# KiCad board shek-rounded.kicad_pcb (continued)
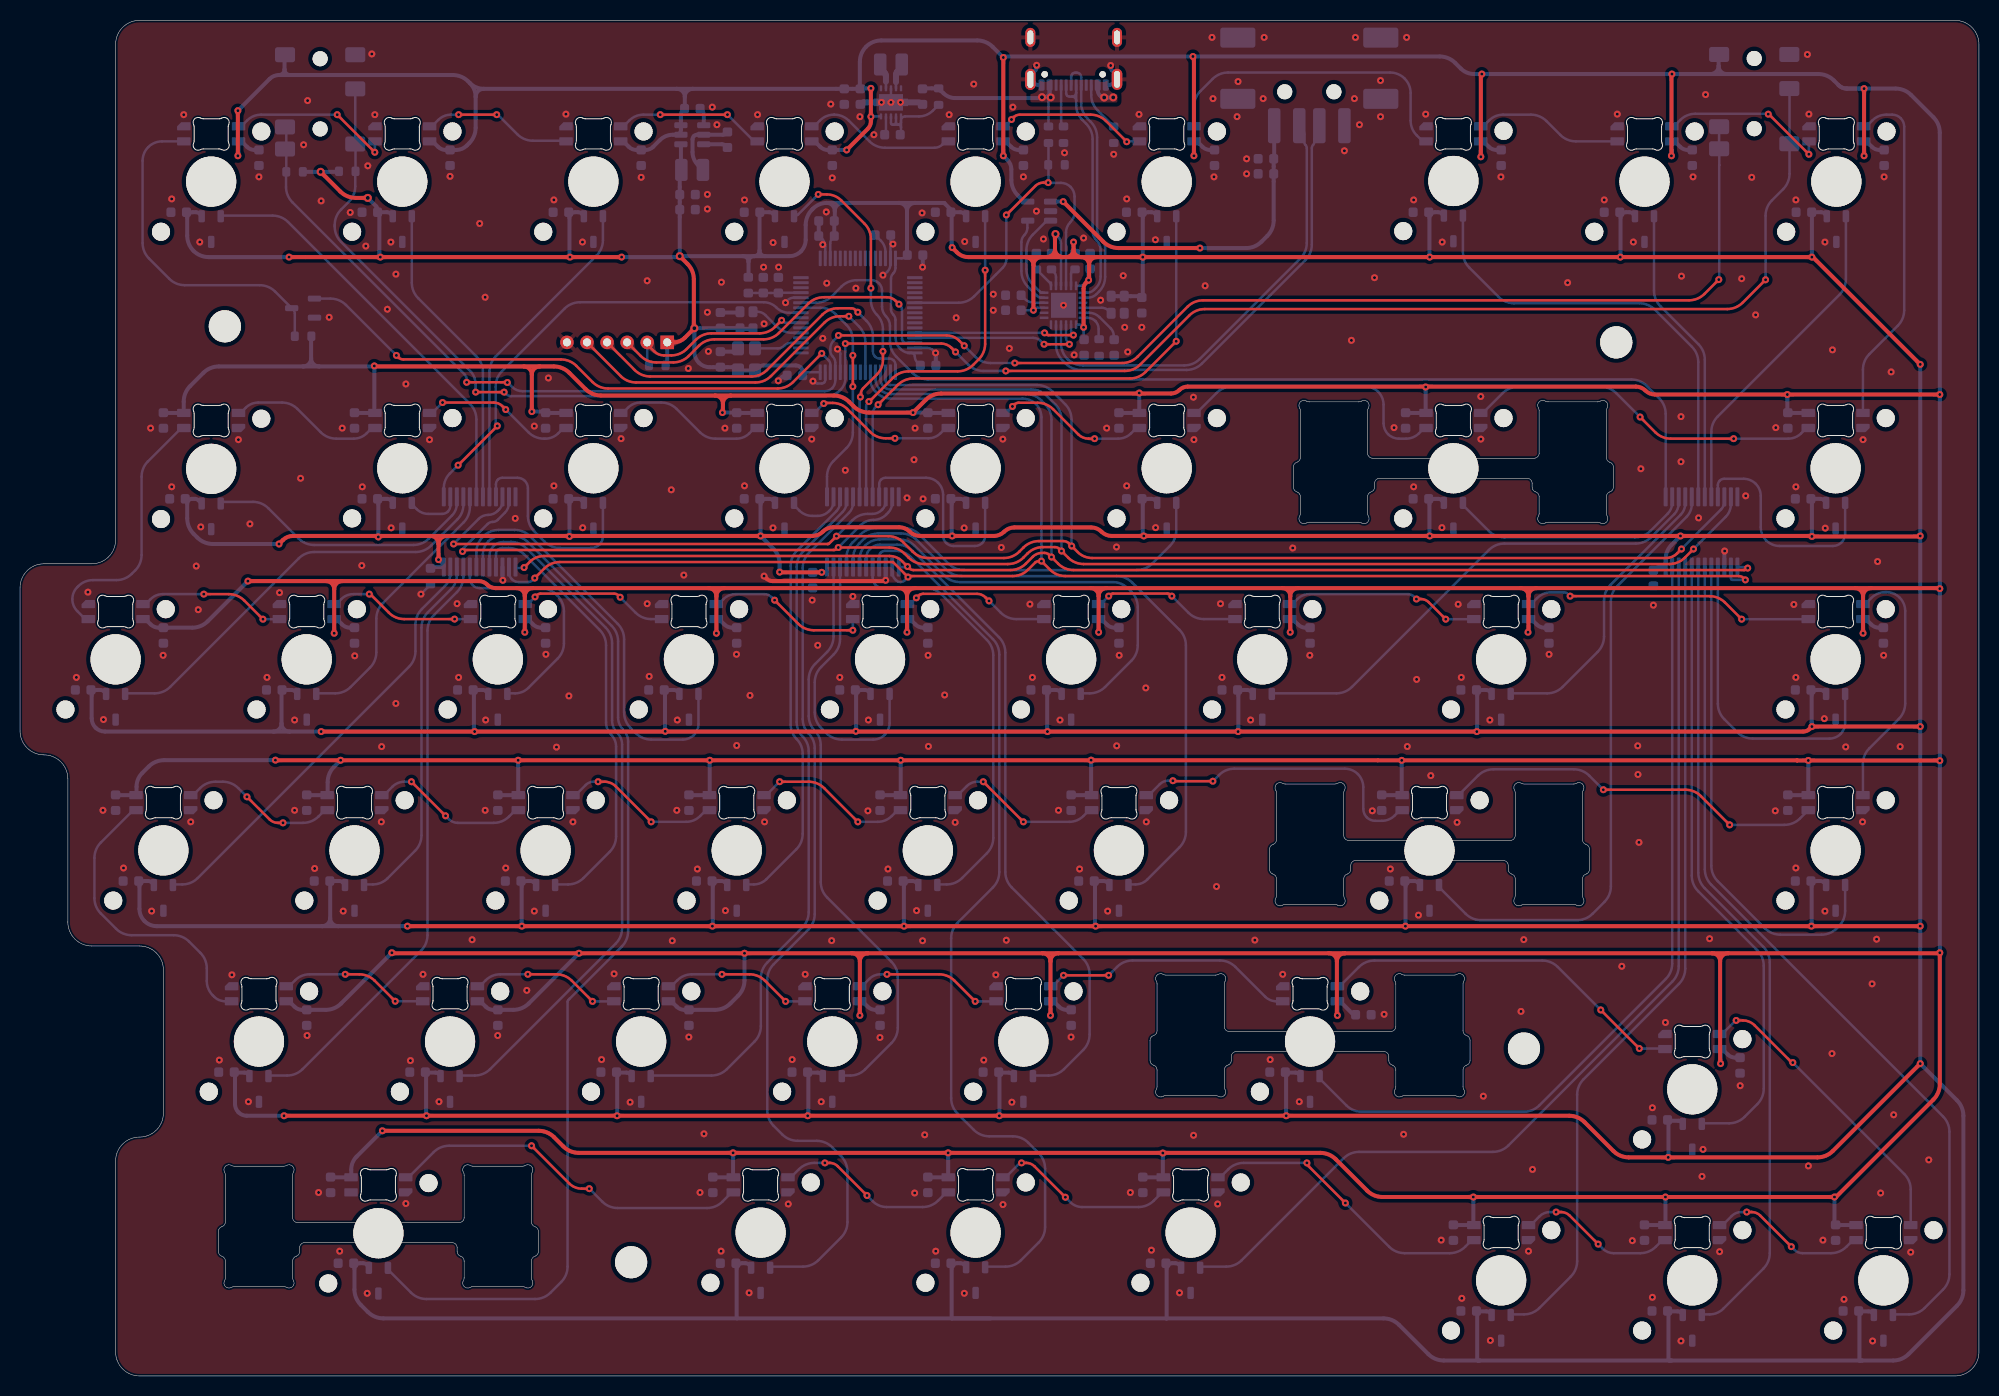
[diagram p0: board, top side]
## Placement (name value [footprint] x y rotation side) (continued)
U23  AH49ENTR-G1  [SOT-23-3_ChocV2-1U]  114.3 90.49 0 top
U24  AH49ENTR-G1  [SOT-23-3_ChocV2-1U]  142.88 90.49 0 top
U25  AH49ENTR-G1  [SOT-23-3_ChocV2-1U]  180.98 90.49 0 top
U26  AH49ENTR-G1  [SOT-23-3_ChocV2-1U]  9.52 71.44 0 top
U27  AH49ENTR-G1  [SOT-23-3_ChocV2-1U]  28.58 71.44 0 top
U28  AH49ENTR-G1  [SOT-23-3_ChocV2-1U]  47.62 71.44 0 top
U29  AH49ENTR-G1  [SOT-23-3_ChocV2-1U]  66.67 71.44 0 top
U30  AH49ENTR-G1  [SOT-23-3_ChocV2-1U]  85.72 71.44 0 top
U31  AH49ENTR-G1  [SOT-23-3_ChocV2-1U]  104.77 71.44 0 top
U32  AH49ENTR-G1  [SOT-23-3_ChocV2-1U]  123.83 71.44 0 top
U33  AH49ENTR-G1  [SOT-23-3_ChocV2-1.5U]  147.64 71.44 0 top
U34  AH49ENTR-G1  [SOT-23-3_ChocV2-1U]  180.98 71.44 0 top
U35  AH49ENTR-G1  [SOT-23-3_ChocV2-1U]  14.29 52.39 0 top
U36  AH49ENTR-G1  [SOT-23-3_ChocV2-1U]  33.34 52.39 0 top
U37  AH49ENTR-G1  [SOT-23-3_ChocV2-1U]  52.39 52.39 0 top
U38  AH49ENTR-G1  [SOT-23-3_ChocV2-1U]  71.44 52.39 0 top
U39  AH49ENTR-G1  [SOT-23-3_ChocV2-1U]  90.49 52.39 0 top
U40  AH49ENTR-G1  [SOT-23-3_ChocV2-1U]  109.54 52.39 0 top
U41  AH49ENTR-G1  [SOT-23-3_ChocV2-1U]  140.49 52.39 0 top
U42  AH49ENTR-G1  [SOT-23-3_ChocV2-1U]  180.98 52.39 0 top
U43  AH49ENTR-G1  [SOT-23-3_ChocV2-1U]  23.81 33.34 0 top
U44  AH49ENTR-G1  [SOT-23-3_ChocV2-1U]  42.86 33.34 0 top
U45  AH49ENTR-G1  [SOT-23-3_ChocV2-1U]  61.91 33.34 0 top
U46  AH49ENTR-G1  [SOT-23-3_ChocV2-1U]  80.96 33.34 0 top
U47  AH49ENTR-G1  [SOT-23-3_ChocV2-1U]  100.01 33.34 0 top
U48  AH49ENTR-G1  [SOT-23-3_ChocV2-1U]  128.59 33.34 0 top
U49  AH49ENTR-G1  [SOT-23-3_ChocV2-1U]  166.69 28.58 0 top
U50  AH49ENTR-G1  [SOT-23-3_ChocV2-1U]  35.72 14.23 0 top
U51  AH49ENTR-G1  [SOT-23-3_ChocV2-1.25U]  73.82 14.29 0 top
U52  AH49ENTR-G1  [SOT-23-3_ChocV2-1U]  95.25 14.29 0 top
U53  AH49ENTR-G1  [SOT-23-3_ChocV2-1.25U]  116.68 14.29 0 top
U54  AH49ENTR-G1  [SOT-23-3_ChocV2-1U]  147.64 9.53 0 top
U55  AH49ENTR-G1  [SOT-23-3_ChocV2-1U]  166.69 9.53 0 top
U56  AH49ENTR-G1  [SOT-23-3_ChocV2-1U]  185.74 9.53 0 top
Y1  SG-210STF  [Oscillator_SMD_SeikoEpson_SG210-4Pin_2.5x2.0mm]  109.41 106.79 270 bottom
Y2  SG-210STF  [Oscillator_SMD_SeikoEpson_SG210-4Pin_2.5x2.0mm]  72.41 105.24 90 bottom
Y3  ASCO  [Crystal_SMD_Abracon_ABM8G-4Pin_3.2x2.5mm_silkmod]  72.41 101.34 90 bottom

## Library data of the parts
C1-C4 C8 C12 C13 C17-C20 C22 C24 C26-C125 = -: Description: Unpolarized capacitor, small symbol; Digikey: 311-1088-1-ND; ki_fp_filters: C_*
C5-C7 C23 = -: Description: Unpolarized capacitor, small symbol; Digikey: 311-1445-1-ND; ki_fp_filters: C_*
C9-C11 C16 = -: Description: Unpolarized capacitor, small symbol; Digikey: 311-1817-1-ND; ki_fp_filters: C_*
C14 C15 = -: Description: Unpolarized capacitor, small symbol; Digikey: 490-10476-1-ND; ki_fp_filters: C_*
C21 C25 = -: Description: Unpolarized capacitor, small symbol; Digikey: 311-1785-1-ND; ki_fp_filters: C_*
FB1 = -: Description: Ferrite bead, small symbol; Digikey: 240-2558-1-ND; ki_fp_filters: Inductor_* L_* *Ferrite*
H1-H4 = -: Description: Mounting Hole without connection; ki_fp_filters: MountingHole*
J1 = -: PARTREV: 4; STANDARD: Manufacturer Recommendations; MAXIMUM_PACKAGE_HEIGHT: 3.26 mm; MANUFACTURER: Amphenol; Digikey: 664-12402012E212ACT-ND
J3 J5 = -: PARTREV: A; STANDARD: Manufacturer Recommendations; MAXIMUM_PACKAGE_HEIGHT: 4.5mm; MANUFACTURER: TENSILITY; Digikey: 839-54-00177CT-ND
J4 = -: Description: Generic connector, single row, 01x06, script generated; ki_fp_filters: Connector*:*_1x??_*
L1 = -: Description: Inductor; Digikey: 490-13055-1-ND; ki_fp_filters: Choke_* *Coil* Inductor_* L_*
L2 = -: Description: Inductor; Digikey: 490-13053-1-ND; ki_fp_filters: Choke_* *Coil* Inductor_* L_*
LED1-LED48 = -: Description: Reverse mount adressable LED (WS2812 protocol)
Q1 = -: Description: N-MOSFET transistor; Digikey: NTR4003NT1GOSCT-ND
R1 R2 R6-R8 = -: Description: Resistor; Digikey: RG16P100KBCT-ND; ki_fp_filters: R_*
R3 R4 = -: Description: Resistor; Digikey: RG16P5.1KBCT-ND; ki_fp_filters: R_*
R5 R10 R13 = -: Description: Resistor; Digikey: RG16P12.0KBCT-ND; ki_fp_filters: R_*
R9 = -: Description: Resistor; Digikey: RG16P100BCT-ND; ki_fp_filters: R_*
R11 R12 = -: Description: Resistor; Digikey: RG16P4.7KBCT-ND; ki_fp_filters: R_*
S1-S4 = -: Description: Kailh Choc-style stabilizer
U1 = -: Digikey: USB2422T/MJCT-ND; ki_fp_filters: SQFN24_4X4MC_MCH SQFN24_4X4MC_MCH-M SQFN24_4X4MC_MCH-L
U2 = -: Datasheet: https://www.diodes.com/assets/Datasheets/AP22804_14.pdf; Description: Current limited 3A power switch, single channel, SOT-23-5; Digikey: AP22814AW5-7DICT-ND; ki_fp_filters: SOT?23*
U3 = -: Datasheet: http://www.ti.com/lit/ds/symlink/tps63000.pdf; Description: Buck-Boost Converter, 1.8-5.5V Input Voltage, 1.7A Switch Current, 5V Output Voltage, VSON-10; Digikey: 296-19644-1-ND; ki_fp_filters: Texas*DRC0010J*
U4 = -: Datasheet: https://www.diodes.com/assets/Datasheets/AP63200-AP63201-AP63203-AP63205.pdf; Description: 2A, 1.1MHz Buck DC/DC Converter, fixed 3.3V output voltage, TSOT-23-6; Digikey: AP63203WU-7DICT-ND; ki_fp_filters: TSOT?23*
U5 = -: Datasheet: https://www.st.com/resource/en/datasheet/stm32f446re.pdf; Description: STMicroelectronics Arm Cortex-M4 MCU, 512KB flash, 128KB RAM, 180 MHz, 1.8-3.6V, 50 GPIO, LQFP64; Digikey: 497-STM32F446RET6TRCT-ND; ki_fp_filters: LQFP*10x10mm*P0.5mm*
U6-U8 = -: Datasheet: http://www.ti.com/lit/ds/symlink/cd74hc4067.pdf; Description: High-Speed CMOS Logic 16-Channel Analog Multiplexer/Demultiplexer, SSOP-24; Digikey: 1727-2807-1-ND; ki_fp_filters: SSOP*5.3x8.2mm*P0.65mm*
U9-U56 = -: Digikey: AH49ENTR-G1DICT-ND; ki_fp_filters: SOT-23-3_DIO SOT-23-3_DIO-M SOT-23-3_DIO-L
Y1 Y2 = -: Datasheet: https://support.epson.biz/td/api/doc_check.php?mode=dl&lang=en&Parts=SG-210STF; Description: CMOS Crystal Oscillator SPXO; Digikey: SER4078CT-ND; ki_fp_filters: Oscillator*SMD*SeikoEpson*SG210*2.5x2.0mm*
Y3 = -: Datasheet: https://abracon.com/Oscillators/ASCO.pdf; Description: Crystal Clock Oscillator, Abracon ASCO; Digikey: 535-ASEK-32.768KHZ-L-R-TCT-ND; ki_fp_filters: Oscillator*Abracon*ASCO*1.6x1.2mm*

## Footprints (pads in the part's own frame, mm; a bottom-side part is the same pattern mirrored in y, then rotated)
629104190121
  round 1.5 hole 1.5 unplated: (-2.45,2.9) (2.45,2.9)
  rrect 1.25x3.5 smd: 1(-3.5,6.28) 2(-1,6.28) 3(1,6.28) 4(3.5,6.28)
  rrect 3.5x2 smd: S1(-7.125,3.6) S2(7.125,3.6) S3(-7.125,-2.5) S4(7.125,-2.5)
AMPHENOL_12402012E212A
  round 0.65 hole 0.65 unplated: (-2.89,3.68) (2.89,3.68)
  rrect 0.6x1.14 smd: A1_B12(-3.2,4.75) A4_B9(-2.4,4.75) B1_A12(3.2,4.75) B4_A9(2.4,4.75)
  rrect 0.3x1.14 smd: A5(-1.25,4.75) A6(-0.25,4.75) A7(0.25,4.75) A8(1.25,4.75) B5(1.75,4.75) B6(0.75,4.75) B7(-0.75,4.75) B8(-1.75,4.75)
  oval 1.05x2.1 hole 0.6x1.7: SH1(-4.32,4.18) SH2(4.32,4.18)
  oval 1x1.9 hole 0.6x1.4: SH3(-4.32,0) SH4(4.32,0)
C_0603_1608Metric
  rrect 0.9x0.95 smd: 1(-0.775,0) 2(0.775,0)
Crystal_SMD_Abracon_ABM8G-4Pin_3.2x2.5mm_silkmod
  rrect 1.4x1.2 smd: 1(-1.1,-0.85) 2(1.1,-0.85) 3(1.1,0.85) 4(-1.1,0.85)
HVQFN-24-1EP_4x4mm_P0.5mm_EP2.5x2.5mm
  rrect 1.01x1.01 smd: (-0.625,-0.625) (-0.625,0.625) (0.625,-0.625) (0.625,0.625)
  rrect 0.875x0.25 smd: 1(-1.938,1.25) 2(-1.938,0.75) 3(-1.938,0.25) 4(-1.938,-0.25) 5(-1.938,-0.75) 6(-1.938,-1.25) 13(1.938,-1.25) 14(1.938,-0.75) 15(1.938,-0.25) 16(1.938,0.25) 17(1.938,0.75) 18(1.938,1.25)
  rrect 0.25x0.875 smd: 7(-1.25,-1.938) 8(-0.75,-1.938) 9(-0.25,-1.938) 10(0.25,-1.938) 11(0.75,-1.938) 12(1.25,-1.938) 19(1.25,1.938) 20(0.75,1.938) 21(0.25,1.938) 22(-0.25,1.938) 23(-0.75,1.938) 24(-1.25,1.938)
  rect 2.5x2.5 smd: 25(0,0)
L_0603_1608Metric
  rrect 0.875x0.95 smd: 1(-0.787,0) 2(0.787,0)
L_1008_2520Metric
  rrect 1.25x2.2 smd: 1(-1.075,0) 2(1.075,0)
LED_choc_6028R
  rrect 1.35x0.82 smd: 1(-2.725,-0.75) 2(-2.725,0.75) 3(2.725,-0.75) 4(2.725,0.75)
LQFP-64_10x10mm_P0.5mm
  rrect 1.55x0.3 smd: 1(-5.675,3.75) 2(-5.675,3.25) 3(-5.675,2.75) 4(-5.675,2.25) 5(-5.675,1.75) 6(-5.675,1.25) 7(-5.675,0.75) 8(-5.675,0.25) 9(-5.675,-0.25) 10(-5.675,-0.75) 11(-5.675,-1.25) 12(-5.675,-1.75) 13(-5.675,-2.25) 14(-5.675,-2.75) 15(-5.675,-3.25) 16(-5.675,-3.75) 33(5.675,-3.75) 34(5.675,-3.25) 35(5.675,-2.75) 36(5.675,-2.25) 37(5.675,-1.75) 38(5.675,-1.25) 39(5.675,-0.75) 40(5.675,-0.25) 41(5.675,0.25) 42(5.675,0.75) 43(5.675,1.25) 44(5.675,1.75) 45(5.675,2.25) 46(5.675,2.75) 47(5.675,3.25) 48(5.675,3.75)
  rrect 0.3x1.55 smd: 17(-3.75,-5.675) 18(-3.25,-5.675) 19(-2.75,-5.675) 20(-2.25,-5.675) 21(-1.75,-5.675) 22(-1.25,-5.675) 23(-0.75,-5.675) 24(-0.25,-5.675) 25(0.25,-5.675) 26(0.75,-5.675) 27(1.25,-5.675) 28(1.75,-5.675) 29(2.25,-5.675) 30(2.75,-5.675) 31(3.25,-5.675) 32(3.75,-5.675) 49(3.75,5.675) 50(3.25,5.675) 51(2.75,5.675) 52(2.25,5.675) 53(1.75,5.675) 54(1.25,5.675) 55(0.75,5.675) 56(0.25,5.675) 57(-0.25,5.675) 58(-0.75,5.675) 59(-1.25,5.675) 60(-1.75,5.675) 61(-2.25,5.675) 62(-2.75,5.675) 63(-3.25,5.675) 64(-3.75,5.675)
MountingHole_3.2mm_M3
  round 3.2 hole 3.2 unplated: (0,0)
Oscillator_SMD_SeikoEpson_SG210-4Pin_2.5x2.0mm
  rrect 1.1x0.9 smd: 1(-0.85,-0.65) 2(0.85,-0.65) 3(0.85,0.65) 4(-0.85,0.65)
PinHeader_1x06_P2.00mm_Horizontal
  rect 1.35x1.35 hole 0.8: 1(0,0)
  round 1.35 hole 0.8: 2(0,-2) 3(0,-4) 4(0,-6) 5(0,-8) 6(0,-10)
R_0603_1608Metric
  rrect 0.8x0.95 smd: 1(-0.825,0) 2(0.825,0)
SOT-23-3
  rrect 1.325x0.6 smd: 1(-1.137,0.95) 2(-1.137,-0.95) 3(1.137,0)
SOT-23-3_ChocV2-1.5U
  round 1.8 hole 1.8 unplated: (-5,-5) (5,5)
  round 5 hole 5 unplated: (0,0)
  rrect 0.65x1.22 smd far side: 1(-0.95,-3.45) 2(0.95,-3.45) 3(0,-6.01)
SOT-23-3_ChocV2-1.25U
  round 1.8 hole 1.8 unplated: (-5,-5) (5,5)
  round 5 hole 5 unplated: (0,0)
  rrect 0.65x1.22 smd far side: 1(-0.95,-3.5) 2(0.95,-3.5) 3(0,-6.01)
SOT-23-3_ChocV2-1U
  round 1.8 hole 1.8 unplated: (-5,-5) (5,5)
  round 5 hole 5 unplated: (0,0)
  rrect 0.65x1.22 smd far side: 1(-0.95,-3.45) 2(0.95,-3.45) 3(0,-6.01)
SOT-23-5
  rrect 1.325x0.6 smd: 1(-1.137,0.95) 2(-1.137,0) 3(-1.137,-0.95) 4(1.137,-0.95) 5(1.137,0.95)
SSOP-24_5.3x8.2mm_P0.65mm
  rrect 1.9x0.4 smd: 1(-3.5,3.575) 2(-3.5,2.925) 3(-3.5,2.275) 4(-3.5,1.625) 5(-3.5,0.975) 6(-3.5,0.325) 7(-3.5,-0.325) 8(-3.5,-0.975) 9(-3.5,-1.625) 10(-3.5,-2.275) 11(-3.5,-2.925) 12(-3.5,-3.575) 13(3.5,-3.575) 14(3.5,-2.925) 15(3.5,-2.275) 16(3.5,-1.625) 17(3.5,-0.975) 18(3.5,-0.325) 19(3.5,0.325) 20(3.5,0.975) 21(3.5,1.625) 22(3.5,2.275) 23(3.5,2.925) 24(3.5,3.575)
TENSILITY_54-00177
  round 1.5 hole 1.5 unplated: (0,-3.5) (0,3.5)
  rrect 2x1.5 smd: 1(3.5,-3.9) 2(-3.5,-3.9) 3(3.5,-0.5) 4(-3.5,3.3) 5(-3.5,5.5) 6(3.5,5)
Texas_DRC0010J
  rrect 0.25x0.34 smd: (-0.25,-1.53) (-0.25,1.53) (0.25,-1.53) (0.25,1.53)
  rrect 1.5x1.06 smd: (0,-0.63) (0,0.63)
  rrect 0.6x0.24 smd: 1(-1.4,1) 2(-1.4,0.5) 3(-1.4,0) 4(-1.4,-0.5) 5(-1.4,-1) 6(1.4,-1) 7(1.4,-0.5) 8(1.4,0) 9(1.4,0.5) 10(1.4,1)
  custom 1.65x3.4 smd: 11(0,0)
TSOT-23-6
  rrect 1.325x0.6 smd: 1(-1.137,0.95) 2(-1.137,0) 3(-1.137,-0.95) 4(1.137,-0.95) 5(1.137,0) 6(1.137,0.95)

## Nets
3V3: C1.2 C2.1 C4.1 C5.1 C14.1 C15.1 C17.1 C18.1 C19.1 C20.1 C21.1 C24.2 C26.2 C27.1 C28.1 C29.1 C30.1 C31.1 C32.1 C33.1 C34.1 C35.1 C36.1 C37.1 C38.1 C39.1 C40.1 C41.1 C42.1 C43.1 C44.1 C45.1 C46.1 C47.1 C48.1 C49.1 C50.1 C51.1 C52.1 C53.1 C54.1 C55.1 C56.1 C57.1 C58.1 C59.1 C60.1 C61.1 C62.1 C63.1 C64.1 C65.1 C66.1 C67.1 C68.1 C69.1 C70.1 C71.1 C72.1 C73.1 C74.1 C75.1 C76.1 C77.1 FB1.2 J4.1 L2.2 R6.1 R10.2 R11.2 R12.2 U1.1 U1.9 U1.15 U1.18 U4.1 U5.19 U5.32 U5.48 U5.64 U6.24 U7.24 U8.24 U9.1 U10.1 U11.1 U12.1 U13.1 U14.1 U15.1 U16.1 U17.1 U18.1 U19.1 U20.1 U21.1 U22.1 U23.1 U24.1 U25.1 U26.1 U27.1 U28.1 U29.1 U30.1 U31.1 U32.1 U33.1 U34.1 U35.1 U36.1 U37.1 U38.1 U39.1 U40.1 U41.1 U42.1 U43.1 U44.1 U45.1 U46.1 U47.1 U48.1 U49.1 U50.1 U51.1 U52.1 U53.1 U54.1 U55.1 U56.1 Y1.1 Y1.4 Y2.1 Y2.4 Y3.1 Y3.4
5V: C10.1 C11.1 C16.1 C78.2 C79.2 C80.2 C81.2 C82.2 C83.2 C84.2 C85.2 C86.2 C87.2 C88.2 C89.2 C90.2 C91.2 C92.2 C93.2 C94.2 C95.2 C96.2 C97.2 C98.2 C99.2 C100.2 C101.2 C102.2 C103.2 C104.2 C105.2 C106.2 C107.2 C108.2 C109.2 C110.2 C111.2 C112.2 C113.2 C114.2 C115.2 C116.2 C117.2 C118.2 C119.2 C120.2 C121.2 C122.2 C123.2 C124.2 C125.2 J3.2 J5.2 LED1.1 LED2.1 LED3.1 LED4.1 LED5.1 LED6.1 LED7.1 LED8.1 LED9.1 LED10.1 LED11.1 LED12.1 LED13.1 LED14.1 LED15.1 LED16.1 LED17.1 LED18.1 LED19.1 LED20.1 LED21.1 LED22.1 LED23.1 LED24.1 LED25.1 LED26.1 LED27.1 LED28.1 LED29.1 LED30.1 LED31.1 LED32.1 LED33.1 LED34.1 LED35.1 LED36.1 LED37.1 LED38.1 LED39.1 LED40.1 LED41.1 LED42.1 LED43.1 LED44.1 LED45.1 LED46.1 LED47.1 LED48.1 R13.2 U2.5 U3.1 U3.10 U4.2 U4.3
/VBUS2: C7.1 C8.1 J2.1 U2.1
GND: C1.1 C2.2 C3.2 C4.2 C5.2 C6.2 C7.2 C8.2 C9.2 C10.2 C11.2 C12.2 C14.2 C15.2 C16.2 C17.2 C18.2 C19.2 C20.2 C21.2 C22.2 C23.2 C24.1 C25.2 C26.1 C27.2 C28.2 C29.2 C30.2 C31.2 C32.2 C33.2 C34.2 C35.2 C36.2 C37.2 C38.2 C39.2 C40.2 C41.2 C42.2 C43.2 C44.2 C45.2 C46.2 C47.2 C48.2 C49.2 C50.2 C51.2 C52.2 C53.2 C54.2 C55.2 C56.2 C57.2 C58.2 C59.2 C60.2 C61.2 C62.2 C63.2 C64.2 C65.2 C66.2 C67.2 C68.2 C69.2 C70.2 C71.2 C72.2 C73.2 C74.2 C75.2 C76.2 C77.2 C78.1 C79.1 C80.1 C81.1 C82.1 C83.1 C84.1 C85.1 C86.1 C87.1 C88.1 C89.1 C90.1 C91.1 C92.1 C93.1 C94.1 C95.1 C96.1 C97.1 C98.1 C99.1 C100.1 C101.1 C102.1 C103.1 C104.1 C105.1 C106.1 C107.1 C108.1 C109.1 C110.1 C111.1 C112.1 C113.1 C114.1 C115.1 C116.1 C117.1 C118.1 C119.1 C120.1 C121.1 C122.1 C123.1 C124.1 C125.1 J1.A1_B12 J1.B1_A12 J1.SH1 J1.SH2 J1.SH3 J1.SH4 J2.4 J2.S1 J2.S2 J2.S3 J2.S4 J3.1 J4.6 J5.1 LED1.4 LED2.4 LED3.4 LED4.4 LED5.4 LED6.4 LED7.4 LED8.4 LED9.4 LED10.4 LED11.4 LED12.4 LED13.4 LED14.4 LED15.4 LED16.4 LED17.4 LED18.4 LED19.4 LED20.4 LED21.4 LED22.4 LED23.4 LED24.4 LED25.4 LED26.4 LED27.4 LED28.4 LED29.4 LED30.4 LED31.4 LED32.4 LED33.4 LED34.4 LED35.4 LED36.4 LED37.4 LED38.4 LED39.4 LED40.4 LED41.4 LED42.4 LED43.4 LED44.4 LED45.4 LED46.4 LED47.4 LED48.4 Q1.2 R2.1 R3.2 R4.2 R5.2 R7.2 R8.2 U1.25 U2.2 U3.3 U3.9 U3.11 U4.4 U5.12 U5.18 U5.31 U5.47 U5.60 U5.63 U6.12 U6.15 U7.12 U7.15 U8.12 U8.15 U9.3 U10.3 U11.3 U12.3 U13.3 U14.3 U15.3 U16.3 U17.3 U18.3 U19.3 U20.3 U21.3 U22.3 U23.3 U24.3 U25.3 U26.3 U27.3 U28.3 U29.3 U30.3 U31.3 U32.3 U33.3 U34.3 U35.3 U36.3 U37.3 U38.3 U39.3 U40.3 U41.3 U42.3 U43.3 U44.3 U45.3 U46.3 U47.3 U48.3 U49.3 U50.3 U51.3 U52.3 U53.3 U54.3 U55.3 U56.3 Y1.2 Y2.2 Y3.2
VBUS: C9.1 J1.A4_B9 J1.B4_A9 R1.1 R9.2 U3.5
VBUS2_EN: U1.11 U2.4
VBUS_DET: R1.2 R2.2 U1.16 U5.38
DN1_D+: U1.3 U5.45
DN1_D-: U1.2 U5.44
DN2_D+: J2.3 U1.5
DN2_D-: J2.2 U1.4
LED_D: LED1.3 Q1.3 R13.1
MUX0_A0: U6.9 U25.2
MUX0_A1: U6.8 U17.2
MUX0_A2: U6.7 U16.2
MUX0_A3: U6.6 U15.2
MUX0_A4: U6.5 U41.2
MUX0_A5: U6.4 U33.2
MUX0_A6: U6.3 U32.2
MUX0_A7: U6.2 U24.2
MUX0_A8: U6.23 U48.2
MUX0_A9: U6.22 U53.2
MUX0_A10: U6.21 U54.2
MUX0_A11: U6.20 U49.2
MUX0_A12: U6.19 U55.2
MUX0_A13: U6.18 U56.2
MUX0_A14: U6.17 U42.2
MUX0_A15: U6.16 U34.2
MUX0_COM: U5.11 U6.1
MUX1_A0: U7.9 U22.2
MUX1_A1: U7.8 U14.2
MUX1_A2: U7.7 U13.2
MUX1_A3: U7.6 U12.2
MUX1_A4: U7.5 U51.2
MUX1_A5: U7.4 U45.2
MUX1_A6: U7.3 U38.2
MUX1_A7: U7.2 U21.2
MUX1_A8: U7.23 U46.2
MUX1_A9: U7.22 U30.2
MUX1_A10: U7.21 U23.2
MUX1_A11: U7.20 U40.2
MUX1_A12: U7.19 U31.2
MUX1_A13: U7.18 U47.2
MUX1_A14: U7.17 U39.2
MUX1_A15: U7.16 U52.2
MUX1_COM: U5.10 U7.1
MUX2_A0: U8.9 U20.2
MUX2_A1: U8.8 U11.2
MUX2_A2: U8.7 U10.2
MUX2_A3: U8.6 U9.2
MUX2_A4: U8.5 U27.2
MUX2_A5: U8.4 U26.2
MUX2_A6: U8.3 U18.2
MUX2_A7: U8.2 U19.2
MUX2_A8: U8.23 U35.2
MUX2_A9: U8.22 U36.2
MUX2_A10: U8.21 U43.2
MUX2_A11: U8.20 U28.2
MUX2_A12: U8.19 U29.2
MUX2_A13: U8.18 U50.2
MUX2_A14: U8.17 U44.2
MUX2_A15: U8.16 U37.2
MUX2_COM: U5.9 U8.1
MUX_S0: U5.51 U6.10 U7.10 U8.10
MUX_S1: U5.52 U6.11 U7.11 U8.11
MUX_S2: U5.54 U6.14 U7.14 U8.14
MUX_S3: U5.53 U6.13 U7.13 U8.13
NRST: J4.2 R10.1 U5.7
OCS2: U1.12 U2.3
OSC32: U5.3 Y3.3
PH0: U5.5 Y2.3
PH1: U5.6
SCL: J3.4 J3.5 J5.4 J5.5 R12.1 U5.61
SDA: J3.3 J3.6 J5.3 J5.6 R11.1 U5.59
SWCLK: J4.4 U5.49
SWDIO: J4.3 U5.46
SWO: J4.5 U5.55
UP_D+: J1.A6 J1.B6 U1.20
UP_D-: J1.A7 J1.B7 U1.19
XTALIN: U1.22 Y1.3
XTAOUT: U1.21
Net-(J1-CC1_A): J1.A5 R3.1
Net-(J1-CC1_B): J1.B5 R4.1
Net-(LED1-DOUT): LED1.2 LED2.3
Net-(LED2-DOUT): LED2.2 LED3.3
Net-(LED3-DOUT): LED3.2 LED4.3
Net-(LED4-DOUT): LED4.2 LED5.3
Net-(LED5-DOUT): LED5.2 LED6.3
Net-(LED6-DOUT): LED6.2 LED7.3
Net-(LED7-DOUT): LED7.2 LED8.3
Net-(LED8-DOUT): LED8.2 LED9.3
Net-(LED10-DIN): LED9.2 LED10.3
Net-(LED10-DOUT): LED10.2 LED11.3
Net-(LED11-DOUT): LED11.2 LED12.3
Net-(LED12-DOUT): LED12.2 LED13.3
Net-(LED13-DOUT): LED13.2 LED14.3
Net-(LED14-DOUT): LED14.2 LED15.3
Net-(LED15-DOUT): LED15.2 LED16.3
Net-(LED16-DOUT): LED16.2 LED17.3
Net-(LED17-DOUT): LED17.2 LED18.3
Net-(LED18-DOUT): LED18.2 LED19.3
Net-(LED19-DOUT): LED19.2 LED20.3
Net-(LED20-DOUT): LED20.2 LED21.3
Net-(LED21-DOUT): LED21.2 LED22.3
Net-(LED22-DOUT): LED22.2 LED23.3
Net-(LED23-DOUT): LED23.2 LED24.3
Net-(LED24-DOUT): LED24.2 LED25.3
Net-(LED25-DOUT): LED25.2 LED26.3
Net-(LED26-DOUT): LED26.2 LED27.3
Net-(LED27-DOUT): LED27.2 LED28.3
Net-(LED28-DOUT): LED28.2 LED29.3
Net-(LED29-DOUT): LED29.2 LED30.3
Net-(LED30-DOUT): LED30.2 LED31.3
Net-(LED31-DOUT): LED31.2 LED32.3
Net-(LED32-DOUT): LED32.2 LED33.3
Net-(LED33-DOUT): LED33.2 LED34.3
Net-(LED34-DOUT): LED34.2 LED35.3
Net-(LED35-DOUT): LED35.2 LED36.3
Net-(LED36-DOUT): LED36.2 LED37.3
Net-(LED37-DOUT): LED37.2 LED38.3
Net-(LED38-DOUT): LED38.2 LED39.3
Net-(LED39-DOUT): LED39.2 LED40.3
Net-(LED40-DOUT): LED40.2 LED41.3
Net-(LED41-DOUT): LED41.2 LED42.3
Net-(LED42-DOUT): LED42.2 LED43.3
Net-(LED43-DOUT): LED43.2 LED44.3
Net-(LED44-DOUT): LED44.2 LED45.3
Net-(LED45-DOUT): LED45.2 LED46.3
Net-(LED46-DOUT): LED46.2 LED47.3
Net-(LED47-DOUT): LED47.2 LED48.3
Net-(Q1-G): Q1.1 U5.62
Net-(U1-CRFILT): C6.1 U1.10
Net-(U1-PLLFILT): C3.1 U1.23
Net-(U1-RBIAS): R5.1 U1.24
Net-(U1-SMBCLK*CFG_SEL0): R7.1 U1.14
Net-(U1-SMBDATA*NON_REM1): R8.1 U1.13
Net-(U1-SUSP_IND*LOCAL_PWR*(NON_REM0)): R6.2 U1.17
Net-(U3-EN): C12.1 R9.1 U3.6 U3.7 U3.8
Net-(U3-L1): L1.2 U3.4
Net-(U3-L2): L1.1 U3.2
Net-(U4-BST): C13.2 U4.6
Net-(U4-SW): C13.1 L2.1 U4.5
Net-(U5-VCAP_1): C25.1 U5.30
Net-(U5-VDDA): C22.1 C23.1 FB1.1 U5.13

Pads without a net: J1 A8 B8; LED48 2; U1 6 7 8; U5 1 2 4 8 14 15 16 17 20 21 22 23 24 25 26 27 28 29 33 34 35 36 37 39 40 41 42 43 50 56 57 58

## Via types
v1: diameter 0.7, hole 0.3, Top to Bottom, 594 vias
v2: diameter 0.8, hole 0.4, Top to Bottom, 9 vias

## Routing (per net, layer and track width the routed paths; a pad name or vN(x,y) marks a point on that pad's centre or on a via; arc(x,y) is an arc through that point)
3V3: length 1583.5
  Top w0.4: v1(189.41,83.74) 189.39,83.71 arc(189.36,83.69) 189.33,83.69 v1(178.61,83.69) 178.59,83.71 arc(178.56,83.73) 178.53,83.74 v1(165.51,83.74) v1(140.51,83.74) v1(112.01,83.74) 108.82,83.74 arc(108.27,83.85) 107.8,84.16 arc(107.33,84.48) 106.77,84.59 99.12,84.59 arc(98.57,84.48) 98.1,84.16 arc(97.63,83.85) 97.07,83.74 v1(92.91,83.74) 89.73,83.74 arc(89.16,83.85) 88.68,84.17 arc(88.2,84.49) 87.63,84.61 81.08,84.61 arc(80.51,84.49) 80.03,84.17 arc(79.55,83.85) 78.98,83.74 v1(73.81,83.74) 54.95,83.74 arc(54.92,83.73) 54.89,83.71 arc(54.86,83.69) 54.83,83.69 v1(54.76,83.69) 54.74,83.71 arc(54.71,83.73) 54.68,83.74 42.51,83.74 ; 103.96,111.54 102.36,111.54 ; 103.96,111.54 104.26,111.54 ; 103.96,111.54 arc(103.4,111.77) 103.16,112.34 ; 102.36,111.54 101.81,111.54 ; 102.36,111.54 arc(102.93,111.77) 103.16,112.34 ; v2(65.76,111.63) 66.52,110.87 arc(67,110.16) 67.16,109.33 67.16,104.53 arc(67.17,104.5) 67.19,104.47 v2(67.21,104.45) 66.26,103.49 arc(65.75,103.16) 65.16,103.04 J4.1 ; v2(29.96,120.04) 31.92,118.08 arc(32.63,117.6) 33.46,117.44 v2(34.66,117.44) ; 40.91,83.74 35.88,83.74 arc(35.82,83.72) 35.76,83.69 v1(35.71,83.64) 35.66,83.69 arc(35.61,83.72) 35.54,83.74 27.18,83.74 arc(26.66,83.63) 26.21,83.34 v1(25.81,82.94) ; 40.91,83.74 42.51,83.74 ; 40.91,83.74 arc(41.48,83.5) 41.71,82.94 ; 105.79,111.54 107.34,111.54 ; 105.79,111.54 105.76,111.54 ; 105.79,111.54 arc(106.34,111.31) 106.56,110.76 ; 107.34,111.54 v1(111.91,111.54) v1(178.61,111.54) 178.66,111.54 arc(178.71,111.53) 178.75,111.5 v1(189.41,100.84) ; 107.34,111.54 arc(106.79,111.31) 106.56,110.76 ; v1(92.91,112.49) 93.39,112.01 arc(93.91,111.66) 94.53,111.54 100.21,111.54 ; v1(26.31,25.94) v1(40.51,25.94) v1(59.51,25.94) v1(78.51,25.94) v1(97.61,25.94) v1(126.21,25.94) 154.41,25.94 arc(155.24,25.77) 155.95,25.3 158.82,22.43 arc(159.53,21.95) 160.36,21.79 v1(164.29,21.79) 179.16,21.79 arc(179.99,21.95) 180.7,22.43 v1(189.41,31.14) ; v1(101.01,106.24) 101.01,110.74 ; 101.01,110.74 arc(101.25,111.3) 101.81,111.54 ; 101.01,110.74 arc(100.78,111.3) 100.21,111.54 ; v1(189.41,64.74) v1(178.61,64.74) 178.36,64.49 arc(178.09,64.3) 177.76,64.24 v1(145.21,64.24) v1(121.41,64.24) v1(102.41,64.24) v1(45.31,64.24) v1(30.01,64.24) ; v1(75.71,80.14) 75.72,80.13 arc(75.74,80.12) 75.76,80.11 v1(79.91,80.11) ; 100.21,111.54 101.81,111.54 ; v1(38.61,44.84) v1(50.01,44.84) v1(69.01,44.84) v1(88.11,44.84) v1(107.21,44.84) v1(178.56,44.84) v1(189.41,44.84) ; 103.16,112.34 103.16,113.75 arc(103.17,113.78) 103.19,113.81 v2(103.21,113.84) ; v1(59.96,111.54) v1(54.81,111.54) v1(35.91,111.54) v1(26.81,111.54) ; 105.76,111.54 104.26,111.54 ; 105.76,111.54 arc(105.23,111.76) 105.01,112.29 ; 104.26,111.54 arc(104.79,111.76) 105.01,112.29 ; v1(105.01,113.04) 105.01,112.29 ; 42.51,83.74 arc(41.95,83.5) 41.71,82.94 ; 106.56,110.76 106.56,109.32 arc(106.56,109.29) 106.54,109.26 v1(106.51,109.24) 106.26,108.99 arc(106.08,108.71) 106.01,108.38 v1(106.01,104.54) ; v1(41.71,81.38) 41.71,82.94
  Bottom w0.25: 81.19,113.64 80.97,113.43 arc(80.82,113.19) 80.76,112.91 U5.19 ; U1.9 101.44,106.49 arc(101.28,106.46) 101.14,106.36 v1(101.01,106.24) C5.1 ; C20.1 89.43,101.04 arc(89.25,101.31) 89.19,101.64 arc(89.08,101.88) 88.84,101.99 88.67,101.99 arc(88.2,102.08) 87.8,102.35 87.71,102.44 arc(87.38,102.94) 87.26,103.52 87.26,105.27 arc(87.2,105.56) 87.04,105.81 arc(86.87,106.06) 86.81,106.36 86.81,109.37 arc(86.87,109.66) 87.04,109.91 arc(87.2,110.16) 87.26,110.46 U5.32 87.88,111.41 arc(88.1,111.45) 88.27,111.58 88.42,111.73 ; U1.18 105.61,108.68 arc(105.92,108.74) 106.19,108.92 v1(106.51,109.24) ; U1.1 105.56,104.8 arc(105.74,104.77) 105.88,104.67 v1(106.01,104.54) 106.01,103.31 ; U1.15 103.76,112.9 arc(103.69,113.26) 103.49,113.56 v2(103.21,113.84) ; 79.76,100.06 78.5,100.06 arc(78.42,100.05) 78.35,100 arc(78.3,99.93) 78.29,99.85 78.29,99.54
  Bottom w0.4: v1(59.51,25.94) 59.52,25.94 arc(59.52,25.95) 59.52,25.96 59.52,30.25 arc(59.53,30.27) 59.55,30.26 arc(59.58,30.24) 59.61,30.24 60.47,30.24 arc(60.66,30.2) 60.82,30.09 60.96,29.95 ; v1(50.01,44.84) 50.01,44.84 arc(50,44.85) 50,44.86 50,48.79 arc(50.16,49.18) 50.55,49.34 50.86,49.34 arc(51.08,49.29) 51.27,49.17 51.44,49 ; 41.91,29.95 41.77,30.09 arc(41.61,30.2) 41.42,30.24 40.56,30.24 arc(40.53,30.24) 40.5,30.26 arc(40.48,30.27) 40.47,30.25 40.47,26 arc(40.48,25.98) 40.49,25.96 v1(40.51,25.94) ; v1(26.81,111.54) 18.8,111.54 arc(17.98,111.7) 17.29,112.16 arc(16.82,112.85) 16.66,113.67 16.66,115.46 arc(16.82,115.85) 17.21,116.01 17.52,116.01 arc(17.74,115.97) 17.93,115.84 18.1,115.67 ; 25.26,64.24 8.46,64.24 arc(7.95,64.34) 7.52,64.63 arc(7.24,65.05) 7.14,65.56 7.14,67.84 arc(7.3,68.23) 7.69,68.39 7.99,68.39 arc(8.22,68.34) 8.41,68.22 8.57,68.05 ; 25.26,64.24 26.86,64.24 ; 25.26,64.24 arc(25.83,64.47) 26.06,65.04 ; 183.61,1.54 186.71,1.54 arc(187.54,1.7) 188.25,2.18 193.07,7 arc(193.55,7.71) 193.71,8.54 193.71,25.94 arc(193.55,26.77) 193.07,27.48 v1(189.41,31.14) v1(189.41,44.84) v1(189.41,64.74) v1(189.41,83.74) v1(189.41,100.84) ; 183.61,1.54 183.41,1.54 ; 183.61,1.54 183.41,1.54 ; v1(140.51,111.54) 140.5,111.55 arc(140.49,111.56) 140.49,111.58 140.49,115.46 arc(140.65,115.85) 141.04,116.01 141.34,116.01 arc(141.57,115.97) 141.75,115.84 141.93,115.67 ; v1(178.56,44.84) 178.57,44.85 arc(178.58,44.86) 178.59,44.88 178.59,48.79 arc(178.75,49.18) 179.14,49.34 179.44,49.34 arc(179.67,49.29) 179.86,49.17 180.02,49 ; 113.35,87.1 113.18,87.27 arc(112.99,87.39) 112.77,87.44 112.46,87.44 arc(112.07,87.28) 111.91,86.89 111.91,83.91 arc(111.93,83.84) 111.96,83.79 v1(112.01,83.74) ; C28.1 80.17,80.11 arc(80.36,80.19) 80.44,80.38 U7.24 ; 75.25,115.67 75.08,115.84 arc(74.89,115.97) 74.67,116.01 73.81,116.01 ; Y2.4 71.82,104.39 arc(71.77,104.4) 71.72,104.43 arc(71.68,104.45) 71.63,104.46 69.82,104.46 arc(69.81,104.46) 69.8,104.46 arc(69.8,104.45) 69.79,104.45 v2(67.21,104.45) 67.21,102.09 arc(67.33,101.51) 67.66,101.01 arc(68.16,100.68) 68.74,100.56 71.01,100.56 arc(71.22,100.52) 71.4,100.4 arc(71.58,100.28) 71.79,100.24 72.91,100.24 arc(73.24,100.3) 73.51,100.49 arc(73.79,100.67) 74.12,100.74 77.33,100.74 arc(77.59,100.69) 77.81,100.54 arc(77.96,100.32) 78.01,100.05 C19.1 ; 27.62,68.05 27.45,68.22 arc(27.27,68.34) 27.04,68.39 26.19,68.39 ; 160.98,115.67 160.81,115.84 arc(160.62,115.97) 160.39,116.01 160.09,116.01 arc(159.7,115.85) 159.54,115.46 159.54,111.58 arc(159.53,111.56) 159.52,111.55 v1(159.51,111.54) ; 126.21,30.28 126.21,30.28 ; 126.21,30.28 126.23,30.26 arc(126.25,30.24) 126.29,30.24 127.14,30.24 arc(127.33,30.2) 127.49,30.09 127.64,29.95 ; 126.21,30.28 arc(126.2,30.28) 126.2,30.28 ; 126.21,30.28 arc(126.2,30.28) 126.2,30.28 ; 94.3,115.67 94.13,115.84 arc(93.94,115.97) 93.72,116.01 92.95,116.01 ; 56.2,87.1 56.03,87.27 arc(55.84,87.39) 55.62,87.44 55.31,87.44 arc(54.92,87.28) 54.76,86.89 v1(54.76,83.69) ; v2(65.76,111.63) 65.76,111.54 ; v2(65.76,111.63) 65.76,119.95 arc(65.74,120.05) 65.67,120.15 arc(65.64,120.23) 65.67,120.31 65.73,120.37 arc(65.84,120.53) 65.88,120.71 U4.1 ; v2(65.76,111.63) 65.71,111.59 arc(65.66,111.55) 65.6,111.54 v1(59.96,111.54) ; v2(65.76,111.63) 72.06,111.63 ; v1(126.21,25.94) 126.21,25.94 arc(126.2,25.95) 126.2,25.96 126.2,30.28 ; 72.61,111.08 72.61,109.57 arc(72.61,109.55) 72.6,109.54 FB1.2 ; 72.61,111.08 arc(72.77,111.47) 73.16,111.63 ; 72.61,111.08 arc(72.45,111.47) 72.06,111.63 ; 115.73,10.9 115.56,11.07 arc(115.37,11.19) 115.15,11.24 114.84,11.24 arc(114.45,11.08) 114.29,10.69 114.29,5.77 arc(114.29,5.76) 114.28,5.75 ; v1(105.01,113.04) 105.01,111.96 ; 94.3,87.1 94.13,87.27 arc(93.94,87.39) 93.72,87.44 93.41,87.44 arc(93.02,87.28) 92.86,86.89 92.86,83.82 arc(92.87,83.79) 92.89,83.76 v1(92.91,83.74) ; 103.83,68.05 103.65,68.22 arc(103.47,68.34) 103.24,68.39 102.94,68.39 arc(102.55,68.23) 102.39,67.84 102.39,64.28 arc(102.39,64.26) 102.4,64.25 v1(102.41,64.24) ; 180.1,115.67 179.93,115.84 arc(179.74,115.97) 179.52,116.01 178.61,116.01 arc(178.6,116.01) 178.6,116 arc(178.61,115.99) 178.61,115.97 v1(178.61,111.54) ; 165.74,25.19 165.61,25.31 arc(165.47,25.4) 165.31,25.44 164.45,25.44 arc(164.39,25.45) 164.34,25.48 164.31,25.52 arc(164.31,25.51) 164.31,25.5 164.31,21.96 arc(164.31,21.95) 164.3,21.94 arc(164.3,21.93) 164.29,21.91 v1(164.29,21.79) ; v1(121.41,64.24) 121.42,64.25 arc(121.43,64.26) 121.44,64.28 121.44,67.84 arc(121.6,68.23) 121.99,68.39 122.29,68.39 arc(122.52,68.34) 122.7,68.22 122.87,68.05 ; v1(97.61,25.94) 97.62,25.94 arc(97.62,25.95) 97.62,25.96 97.62,30.25 arc(97.63,30.27) 97.65,30.26 arc(97.68,30.24) 97.71,30.24 98.57,30.24 arc(98.76,30.2) 98.92,30.09 99.06,29.95 ; 64.54,100.74 64.52,100.75 arc(64.52,100.76) 64.51,100.78 J4.1 ; 180.02,87.1 179.86,87.27 arc(179.67,87.39) 179.44,87.44 178.61,87.44 arc(178.6,87.43) 178.6,87.43 arc(178.61,87.41) 178.61,87.39 v1(178.61,83.69) ; v1(26.31,25.94) 22.6,25.94 arc(22.15,26.03) 21.77,26.28 arc(21.51,26.66) 21.42,27.11 21.42,30.25 arc(21.43,30.27) 21.45,30.26 arc(21.48,30.24) 21.51,30.24 22.37,30.24 arc(22.56,30.2) 22.72,30.09 22.86,29.95 ; v1(64.31,64.26) 64.3,64.28 arc(64.29,64.29) 64.29,64.31 64.29,67.84 arc(64.45,68.23) 64.84,68.39 65.14,68.39 arc(65.37,68.34) 65.55,68.22 65.72,68.05 ; v1(78.51,25.94) 78.54,25.97 arc(78.57,26) 78.58,26.04 78.58,30.25 arc(78.58,30.27) 78.6,30.26 arc(78.63,30.24) 78.66,30.24 79.52,30.24 arc(79.71,30.2) 79.87,30.09 80.01,29.95 ; v1(75.71,80.14) 75.71,80.99 arc(75.56,81.77) 75.11,82.44 v1(73.81,83.74) 73.81,86.89 arc(73.97,87.28) 74.36,87.44 74.67,87.44 arc(74.89,87.39) 75.08,87.27 75.25,87.1 ; v1(54.81,111.54) 54.79,111.56 arc(54.77,111.59) 54.76,111.62 54.76,115.46 arc(54.92,115.85) 55.31,116.01 55.62,116.01 arc(55.84,115.97) 56.03,115.84 56.2,115.67 ; 113.35,115.67 113.18,115.84 arc(112.99,115.97) 112.77,116.01 112.46,116.01 arc(112.07,115.85) 111.91,115.46 v1(111.91,111.54) 111.91,107.68 arc(111.9,107.62) 111.86,107.56 arc(111.81,107.54) 111.76,107.56 111.75,107.58 arc(111.68,107.62) 111.6,107.64 Y1.4 ; 145.49,1.54 145.33,1.54 ; 145.49,1.54 145.33,1.54 ; 145.49,1.54 164.41,1.54 ; 145.33,1.54 141.91,1.54 arc(141.08,1.7) 140.37,2.18 137.45,5.1 arc(136.74,5.57) 135.91,5.74 114.29,5.74 ; 145.33,1.54 arc(145.27,1.56) 145.25,1.62 145.25,6.45 arc(145.26,6.46) 145.27,6.46 arc(145.29,6.44) 145.31,6.44 146.17,6.44 arc(146.37,6.4) 146.54,6.29 146.69,6.14 ; C61.1 35.64,116.24 arc(35.6,116.45) 35.48,116.62 v2(34.66,117.44) ; 30.11,44.84 13.63,44.84 arc(12.97,44.97) 12.41,45.34 arc(12.03,45.9) 11.9,46.57 11.9,48.79 arc(12.06,49.18) 12.45,49.34 12.76,49.34 arc(12.98,49.29) 13.17,49.17 13.34,49 ; 30.11,44.84 31.71,44.84 ; 30.11,44.84 arc(30.68,45.07) 30.91,45.64 ; 165.74,6.14 165.59,6.29 arc(165.42,6.4) 165.22,6.44 164.36,6.44 arc(164.34,6.44) 164.32,6.46 164.31,6.47 arc(164.31,6.46) 164.31,6.45 164.31,1.64 arc(164.34,1.57) 164.41,1.54 ; 34.77,10.9 34.6,11.07 arc(34.41,11.19) 34.19,11.24 33.88,11.24 arc(33.49,11.08) 33.33,10.69 33.33,8.62 arc(33.5,7.79) 33.97,7.08 34.67,6.38 arc(35.38,5.9) 36.21,5.74 96.74,5.74 ; 88.41,116.14 88.41,111.78 arc(88.42,111.76) 88.42,111.75 arc(88.43,111.74) 88.42,111.73 ; 88.41,116.14 arc(88.65,116.7) 89.21,116.94 ; 88.41,116.14 arc(88.18,116.7) 87.61,116.94 ; 32.39,49 32.22,49.17 arc(32.03,49.29) 31.81,49.34 30.95,49.34 ; 26.86,64.24 v1(30.01,64.24) ; 26.86,64.24 arc(26.3,64.47) 26.06,65.04 ; 164.41,1.54 164.61,1.54 ; 164.41,1.54 164.61,1.54 ; 164.61,1.54 183.41,1.54 ; C27.1 162.98,80.48 arc(163.15,80.6) 163.37,80.64 163.59,80.64 arc(163.91,80.77) 164.04,81.09 164.04,81.45 arc(164.19,82.2) 164.61,82.84 v1(165.51,83.74) ; 114.26,5.74 92.88,5.74 arc(92.88,5.74) 92.87,5.74 arc(92.86,5.75) 92.86,5.76 92.86,10.69 arc(93.02,11.08) 93.41,11.24 93.72,11.24 arc(93.94,11.19) 94.13,11.07 94.3,10.9 ; 114.26,5.74 114.29,5.74 ; 114.26,5.74 arc(114.27,5.74) 114.28,5.75 ; 114.29,5.74 arc(114.28,5.74) 114.28,5.75 ; v1(69.01,44.84) 69.03,44.86 arc(69.05,44.88) 69.05,44.9 69.05,48.79 arc(69.21,49.18) 69.6,49.34 69.91,49.34 arc(70.13,49.29) 70.32,49.17 70.49,49 ; v1(83.31,64.26) 83.33,64.28 arc(83.33,64.29) 83.34,64.31 83.34,67.84 arc(83.5,68.23) 83.89,68.39 84.19,68.39 arc(84.42,68.34) 84.61,68.22 84.77,68.05 ; 89.54,49 89.37,49.17 arc(89.18,49.29) 88.96,49.34 88.65,49.34 arc(88.26,49.18) 88.1,48.79 88.1,44.86 arc(88.1,44.85) 88.11,44.84 v1(88.11,44.84) ; R11.2 31.76,120.06 arc(31.73,120.04) 31.7,120.04 v2(29.96,120.04) R12.2 ; v1(41.71,81.38) 42.16,80.93 arc(42.22,80.84) 42.24,80.75 arc(42.21,80.67) 42.13,80.64 41.03,80.64 arc(40.94,80.62) 40.88,80.58 40.81,80.51 ; v1(140.51,83.74) 140.5,83.75 arc(140.49,83.76) 140.49,83.78 140.49,86.89 arc(140.65,87.28) 141.04,87.44 141.34,87.44 arc(141.57,87.39) 141.75,87.27 141.93,87.1 ; 17.93,87.15 17.78,87.29 arc(17.62,87.4) 17.43,87.44 17.15,87.44 arc(16.81,87.29) 16.66,86.95 16.66,85.49 arc(16.83,84.66) 17.3,83.95 17.67,83.58 arc(18.38,83.1) 19.21,82.94 v1(25.81,82.94) ; v1(35.91,111.54) 35.86,111.59 arc(35.83,111.64) 35.81,111.71 35.81,115.84 arc(35.8,115.91) 35.76,115.96 arc(35.76,115.99) 35.78,116.01 36.57,116.01 arc(36.79,115.97) 36.98,115.84 37.15,115.67 ; 26.06,65.04 26.06,68.3 arc(26.07,68.33) 26.09,68.36 C65.1 ; 82.01,116.94 87.61,116.94 ; 82.01,116.94 80.41,116.94 ; 82.01,116.94 arc(81.45,116.7) 81.21,116.14 ; 87.61,116.94 89.21,116.94 ; v1(145.21,64.24) 145.23,64.26 arc(145.25,64.28) 145.25,64.3 145.25,67.84 arc(145.41,68.23) 145.8,68.39 146.11,68.39 arc(146.33,68.34) 146.52,68.22 146.69,68.05 ; 184.79,6.14 184.64,6.29 arc(184.47,6.4) 184.27,6.44 183.41,6.44 arc(183.39,6.44) 183.37,6.46 arc(183.36,6.46) 183.35,6.45 183.35,1.6 arc(183.35,1.58) 183.33,1.56 arc(183.33,1.54) 183.34,1.54 183.41,1.54 ; 72.87,10.9 72.7,11.07 arc(72.51,11.19) 72.29,11.24 71.98,11.24 arc(71.59,11.08) 71.43,10.69 71.43,5.81 arc(71.44,5.78) 71.45,5.76 71.47,5.74 ; 30.91,45.64 30.91,49.27 arc(30.91,49.3) 30.89,49.32 C67.1 ; 30.91,45.64 arc(31.15,45.07) 31.71,44.84 ; 31.71,44.84 v1(38.61,44.84) ; 92.86,115.93 92.86,112.57 arc(92.87,112.54) 92.89,112.51 v1(92.91,112.49) ; 92.86,115.93 92.86,116.1 ; 92.86,115.93 arc(92.89,115.99) 92.95,116.01 ; 46.67,68.05 46.5,68.22 arc(46.32,68.34) 46.09,68.39 45.79,68.39 arc(45.4,68.23) 45.24,67.84 45.24,64.37 arc(45.25,64.32) 45.27,64.28 v1(45.31,64.24) ; 74.26,111.63 73.16,111.63 ; 74.26,111.63 76.68,111.63 arc(77.31,111.76) 77.83,112.11 arc(78.19,112.64) 78.31,113.26 78.31,114.74 arc(78.48,115.57) 78.95,116.28 79.05,116.37 arc(79.67,116.79) 80.41,116.94 ; 74.26,111.63 arc(73.87,111.79) 73.71,112.18 ; 73.16,111.63 72.06,111.63 ; 73.16,111.63 arc(73.55,111.79) 73.71,112.18 ; 89.21,116.94 92.09,116.94 arc(92.11,116.93) 92.12,116.93 92.8,116.25 arc(92.85,116.18) 92.86,116.1 ; C62.1 73.72,116 arc(73.72,115.99) 73.71,115.97 73.71,112.18 ; 139.54,49 139.37,49.17 arc(139.19,49.29) 138.96,49.34 138.65,49.34 arc(138.27,49.18) 138.11,48.79 138.11,44.86 arc(138.1,44.85) 138.1,44.84 v1(138.09,44.84) ; 81.16,113.64 81.16,115.1 arc(81.17,115.13) 81.19,115.16 arc(81.21,115.19) 81.21,115.22 81.21,116.14 ; v1(35.71,83.64) 35.71,86.89 arc(35.87,87.28) 36.26,87.44 36.57,87.44 arc(36.79,87.39) 36.98,87.27 37.15,87.1 ; 92.95,116.01 arc(92.89,116.04) 92.86,116.1 ; 81.21,116.14 arc(80.98,116.7) 80.41,116.94 ; v1(107.21,44.84) 107.18,44.87 arc(107.16,44.9) 107.15,44.94 107.15,48.79 arc(107.31,49.18) 107.7,49.34 108.01,49.34 arc(108.23,49.29) 108.42,49.17 108.59,49 ; v1(178.61,64.74) 178.61,65.07 arc(178.61,65.09) 178.6,65.1 arc(178.59,65.11) 178.59,65.13 178.59,67.84 arc(178.75,68.23) 179.14,68.39 179.44,68.39 arc(179.67,68.34) 179.86,68.22 180.02,68.05 ; v1(106.51,109.24) 106.51,110.36